# KiCad board ISA_CGA.kicad_pcb (continued)
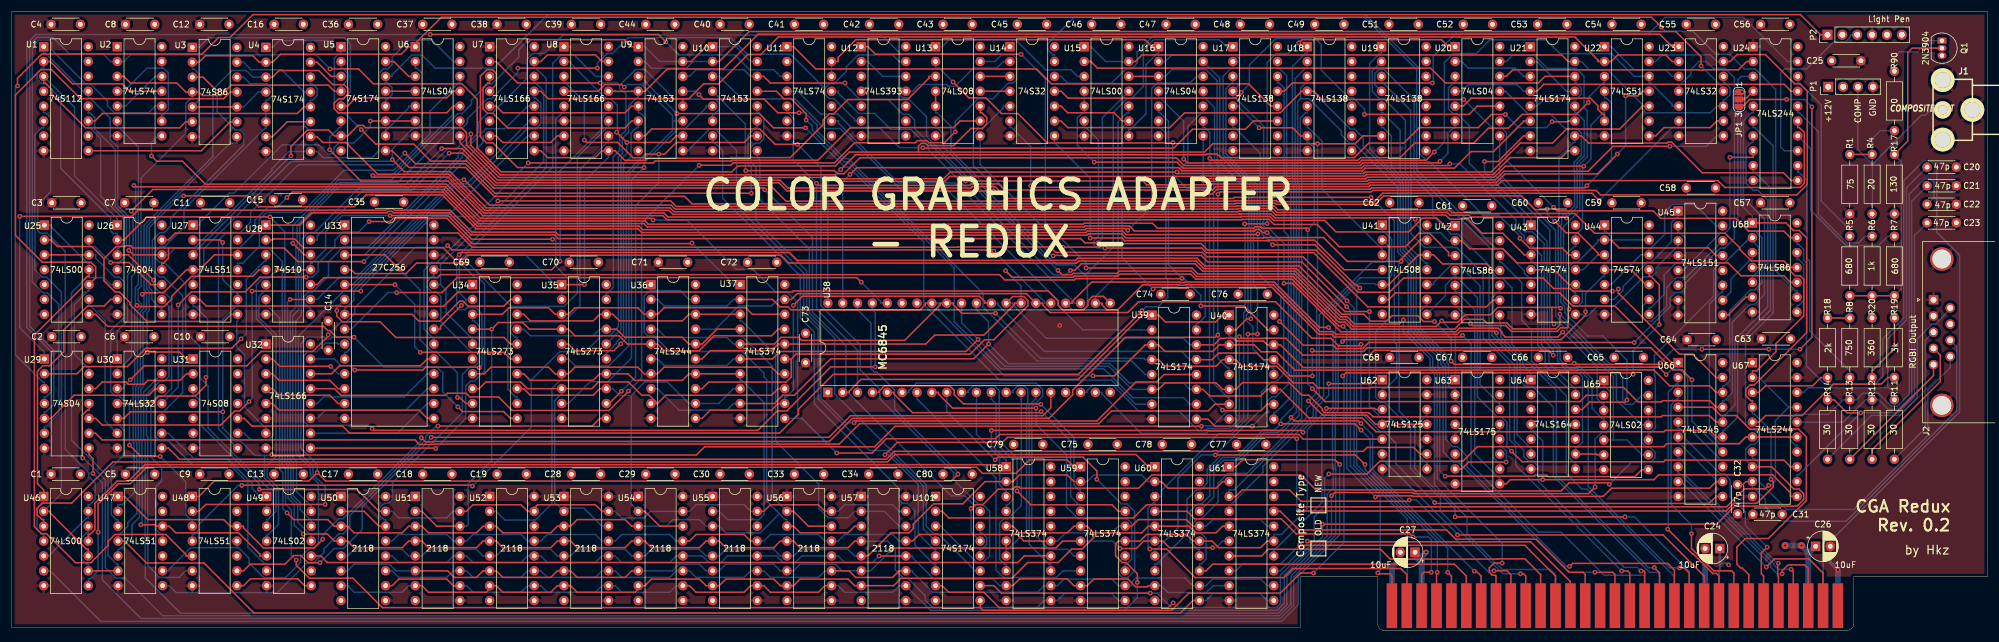
[diagram p0: board, top side]
## Routing (per net, layer and track width the routed paths; a pad name or vN(x,y) marks a point on that pad's centre or on a via; arc(x,y) is an arc through that point) (continued)
  Bottom w0.25: U38.28 171.05,55.88 171.05,55.6 176.76,49.89 200.19,49.89 201.31,48.77 U39.14 ; v2(282.7,43.69) 283.61,44.59 284.95,44.59 286.38,43.17 286.38,34.76 292.07,29.07 292.35,29.07 U66.13
D6: length 220.4
  Top w0.25: v2(233.02,22.77) 233.24,22.98 239.32,22.98 239.42,22.87 271.95,22.87 273.36,24.27 290.1,24.27 291.23,25.4 U66.12 ; v2(227.51,51.92) 226.82,51.92 218.75,59.98 202.3,59.98 201.44,60.84 189.36,60.84 189.03,60.52 181.6,60.52 181.39,60.3 170.93,60.3 v2(169.82,61.42) ; U38.27 171.34,55.88 171.34,55.65 166.12,50.43 157.71,50.43 156.18,48.89 U37.16 130.95,48.89 129.83,47.77 119.38,47.77 117.97,46.35 U36.15
  Bottom w0.25: v2(233.02,22.77) 228.14,27.65 228.14,51.29 v2(227.51,51.92) ; v2(169.82,61.42) 172.47,58.77 U38.27
D7: length 204.2
  Top w0.25: 132.08,56.52 133.21,56.52 134.2,57.51 173.38,57.51 U38.26 176.13,55.88 176.13,55.6 177.45,54.28 190.68,54.28 192.53,56.12 215.94,56.12 222.18,49.88 225.41,49.88 226.7,48.6 230.28,48.6 v2(230.54,48.86) ; v2(243.13,21.83) 243.29,21.67 290.04,21.67 291.23,22.86 U66.11
  Bottom w0.25: v2(243.13,21.83) 236.53,28.44 236.53,31.94 234.56,33.91 233.85,33.91 230.54,37.21 v2(230.54,48.86) ; U36.17 120.26,51.44 124.21,55.39 129.83,55.39 130.95,56.52 132.08,56.52
DATA_GATE: length 150.1
  Top w0.25: v2(179.61,65.45) 185.92,65.45 186.52,66.05 203.23,66.05 204.34,64.95 222.84,64.95 230.05,57.74 235.41,57.74 237.85,60.18 261.67,60.18 263.47,58.38 266.29,58.38 266.74,57.93 v2(273.5,57.93) ; v2(274.53,58.32) 274.53,57.59 284.94,47.18 287.23,47.18 291.23,43.18 U66.19
  Bottom w0.25: v2(273.5,57.93) 274.14,57.93 v2(274.53,58.32) ; v2(179.61,65.45) 165.48,79.58 U13.8
DISPEN: length 158.3
  Top w0.25: v2(263.39,46.99) 262.57,47.81 232.8,47.81 232,47.02 220.58,47.02 217.71,49.89 214.22,49.89 214.19,49.86 210.04,49.86 v2(209.77,50.14)
  Bottom w0.25: v2(263.39,46.99) 263.39,47.97 261.85,49.51 261.85,66.04 259.8,68.09 258.58,68.09 258.44,68.23 258.44,70.41 249.05,79.8 249.05,86.2 246.99,88.27 246.25,88.27 245.49,89.02 245.49,92.63 246.35,93.49 246.63,93.49 U20.3 ; U38.18 183.75,40.64 183.75,40.92 184.68,41.85 188.16,41.85 192.64,37.37 199.51,37.37 202.78,34.1 203.9,34.1 204.29,34.49 208.16,34.49 209.77,36.1 v2(209.77,50.14)
DOT_CLOCK: length 159.8
  Top w0.25: U8.7 93.24,84.45 92.11,83.33 83.91,83.33 82.79,84.45 U7.7 ; 15.77,63.47 13.69,65.55 7.84,65.55 6.71,66.67 5.59,66.67 ; 15.77,63.47 15.77,59.7 17.68,57.78 18.42,57.78 20.24,55.96 20.24,55.61 23.09,52.75 36.26,52.75 37.48,53.97 U27.8 ; 15.77,63.47 17.84,65.55 19.12,65.55 19.25,65.68 20.32,65.68 20.69,65.31 26.79,65.31 ; v2(60.19,62.98) 48.88,62.98 46.55,65.31 26.79,65.31 ; 26.79,65.31 26.79,63.57 25.94,62.72 25.65,62.72 25.65,61.59
  Bottom w0.25: 43.43,33.66 43.43,34.78 43.15,34.78 39.79,38.15 39.79,47.03 38.46,48.35 38.46,52.7 38.61,52.85 U27.8 ; U7.7 80.54,84.45 80.54,83.33 v2(60.19,62.98)
E: length 55.7
  Bottom w0.25: U38.23 181.5,55.88 181.5,56.07 161.15,76.42 151.5,76.42 141.21,86.71 141.21,86.99 U11.9
ENABLE_BLINK: length 201.8
  Top w0.25: v2(199.99,60.11) 199.94,60.07 181.79,60.07 181.57,59.85 169.68,59.85 168.78,60.75 73.27,60.75 72.75,60.23 53.35,60.23 52.18,59.05 U28.10 ; v2(203.19,55.39) 210.57,55.39 214.52,51.45 214.52,51.31 U40.15
  Bottom w0.25: v2(203.19,55.39) 203.19,57.22 200.3,60.11 v2(199.99,60.11) 197.66,62.44 197.66,86.97 196.15,88.48 195.96,88.48 U16.5
G: length 271.5
  Top w0.25: v2(300.62,25.78) 300.99,25.41 300.99,24.49 298.18,21.68 294.24,21.68 292.94,20.38 v2(219.93,20.38) ; U68.1 303.14,69.6 304.45,68.29 305.42,68.29 306.7,67.01 306.7,50.85 297.76,41.91 297.04,41.91 296.31,41.18 296.31,40.07 297.15,39.23 297.43,39.23 U67.4 ; 295.15,91.95 JP1.1 ; v2(219.57,32.73) 219.35,32.95 170.13,32.95 169.27,32.09 151.32,32.09 v2(149.21,29.97)
  Bottom w0.25: v2(295.68,91.98) 295.45,91.75 295.45,72.71 297.43,70.72 U68.1 ; v2(149.21,29.97) 149.83,29.97 154.88,24.92 154.88,16.52 157.58,13.83 157.86,13.83 U101.5 ; U67.4 297.43,36.97 297.72,36.97 300.62,34.07 v2(300.62,25.78) ; v2(219.57,32.73) 219.57,20.74 v2(219.93,20.38)
G_OUT: length 59.8
  Bottom w0.25: U67.16 312.95,35.56 316.76,39.37 R12.2 319.01,39.37 320.61,37.76 322.37,37.76 324.67,40.06 324.67,73.33 C21.1
GRPH: length 408.1
  Top w0.25: v2(53.15,15.53) 51.68,14.07 43.03,14.07 39.61,17.5 39.61,17.78 U48.12 37.36,17.78 36.23,18.91 23.24,18.91 19.29,22.86 U47.1 ; v2(69.99,32.89) 70.69,32.19 71.92,32.19 71.98,32.26 139.72,32.26 143.67,36.21 177.25,36.21 181.29,40.24 181.29,41.02 190.31,50.04 205.68,50.04 v2(206.09,50.44) ; 292.48,97.16 293.61,97.16 294.8,98.35 299.65,98.35 304.65,93.34 305.54,93.34 306.8,92.09 306.8,76.16 305.01,74.37 271.48,74.37 270.72,75.14 232.56,75.14 232.31,74.89 206.52,74.89 v2(206.11,74.48)
  Bottom w0.25: v2(53.15,15.53) 53.15,16.31 55.89,19.05 56.58,19.05 69.99,32.45 v2(69.99,32.89) ; U40.5 208.03,44.81 207.74,44.81 206.09,46.47 v2(206.09,50.44) 206.09,74.46 v2(206.11,74.48) 206.11,79.54 205.51,80.14 205.51,89.3 203.86,90.95 203.58,90.95 U16.11 ; 279.78,97.16 280.91,97.16 282.03,98.28 290.23,98.28 291.36,97.16 292.48,97.16
HCLK: length 255.6
  Top w0.25: v2(47.71,81.05) 47.71,82.62 50.54,85.46 54.14,85.46 55.14,84.45 U5.7 57.39,84.45 59.18,86.25 60.03,86.25 60.41,85.87 76.58,85.87 ; U6.9 76.58,85.87 ; 76.58,85.87 76.86,85.87 77.71,85.03 77.71,82.93 83.29,77.35 140.47,77.35 141.13,76.69 159.41,76.69 160.26,77.53 203.2,77.53 203.25,77.59 231.19,77.59 231.44,77.84 253.14,77.84 256.04,80.74 264.78,80.74 265.96,81.91 U21.9
  Bottom w0.25: v2(47.71,81.05) 30.99,64.33 U27.3
HRES: length 336.4
  Top w0.25: v2(36.05,66.26) 35.64,66.67 30.99,66.67 ; v2(211.71,53.21) 211.06,53.21 209.15,51.31 U40.2 ; v2(203.28,34.86) 150.94,34.86 147.44,31.36 118.41,31.36 116.99,29.94 44.5,29.94 v2(44.44,30) ; v2(36.08,37.32) 20.28,37.32 19.16,36.19 U30.5
  Bottom w0.25: v2(203.28,34.86) 203.37,34.94 205.24,34.94 207.78,37.48 208.54,37.48 209.22,38.16 209.22,49.23 208.27,50.18 208.03,50.18 U40.2 ; 203.58,97.16 206.41,94.32 206.41,81.15 211.85,75.71 211.85,68.69 211.71,68.56 v2(211.71,53.21) ; v2(36.05,66.26) 36.05,59.91 38.33,57.64 38.61,57.64 38.61,55.39 38.33,55.39 36.08,53.14 v2(36.08,37.32) 36.08,34.55 38.24,32.38 39.05,32.38 41.58,29.86 43.18,29.86 ; U49.3 43.56,18.91 43.74,18.91 45.14,20.31 45.14,24.06 43.18,26.02 43.18,29.86 ; 43.18,29.86 44.29,29.86 v2(44.44,30) ; U30.5 18.03,35.07 18.32,35.07 19.21,34.18 19.21,30 17.04,27.83 17.04,19.75 17.88,18.91 18.16,18.91 U47.3
HSYNC: length 143
  Top w0.25: v2(143.23,77.86) 144.4,79.02 199.41,79.02 199.95,78.49 230.81,78.49 231.26,78.94 246.51,78.94 249.34,81.76 253.17,81.76 258.34,86.93 258.34,86.99 U21.6
  Bottom w0.25: v2(143.23,77.86) 141.99,76.61 U38.39
HSYNC_DLY: length 73
  Top w0.25: U65.6 270.91,29.97 270.78,30.1 U64.9 ; v2(251.66,80.08) 253.96,80.08 258.34,84.45 U21.7
  Bottom w0.25: v2(251.66,80.08) 251.66,78.27 259.59,70.34 U43.1 262.35,66.45 262.35,49.97 264.12,48.2 264.12,45.97 265.79,44.3 267.42,44.3 268.4,43.33 268.4,32.13 267.49,31.22 267.21,31.22 U64.9
HSYNC_OUT: length 62.2
  Top w0.25: U67.9 296.31,25.4 295.8,24.89 C32.1
  Bottom w0.25: J2.8 332.35,48.41 332.35,37.55 313.46,18.66 302.08,18.66 299.65,21.08 299.65,22.38 297.76,24.27 297.43,24.27 U67.9
I: length 231.8
  Top w0.25: U67.8 300.71,27.94 304.52,24.13 305.39,24.13 306.2,23.32 306.2,22.35 305.05,21.21 294.4,21.21 291.33,18.13 v2(223.96,18.13) ; U101.10 167.84,7.62 169.11,6.35 v2(194.54,6.35)
  Bottom w0.25: U67.8 296.28,29.1 296.28,30.92 297.11,31.75 297.82,31.75 298.58,32.52 298.58,33.47 297.76,34.29 297.11,34.29 296.26,35.14 296.26,49.5 300.96,54.19 300.96,82.75 297.84,85.87 297.56,85.87 U24.6 ; v2(194.54,6.35) 195.72,6.35 198.67,3.39 216.24,3.39 217.45,4.61 217.45,9.41 223.96,15.92 v2(223.96,18.13)
I_OUT: length 63.9
  Top w0.25: v2(315.93,37.14) 313.62,37.14 311.39,39.37 R14.2
  Bottom w0.25: C23.1 325.12,67.43 325.12,39.87 322.41,37.16 315.96,37.16 v2(315.93,37.14) 305.32,26.53 305.05,26.53 U67.12
IO_CLOCK: length 180.8
  Top w0.25: v2(237.77,53.02) 237.1,52.35 229.39,52.35 228.18,53.55 227.1,53.55 219.31,61.33 203.49,61.33 202.21,62.62 182.77,62.62 181.63,61.48 v2(180.9,61.48)
  Bottom w0.25: v2(180.9,61.48) 180.15,60.72 178.02,60.72 156.56,82.19 156.56,82.65 153.63,85.58 150.16,85.58 147.45,88.29 144.71,88.29 141.21,91.79 141.21,92.07 U11.11 ; P5.20 263.78,9.53 262.91,10.39 254.69,10.39 248.67,16.41 248.67,19.28 243.11,24.85 243.11,43.98 242.36,44.73 242.36,46.37 237.77,50.96 v2(237.77,53.02)
IO_READY: length 69.4
  Top w0.25: P5.41 289.18,9.27 282.16,16.29 v2(247.04,16.29)
  Bottom w0.25: v2(247.04,16.29) 247.04,16.41 234.48,28.97 234.19,28.97 U62.6
LCLK: length 306.9
  Top w0.25: U43.3 258.46,64.13 254.78,67.82 251.23,67.82 248.84,70.22 245.71,70.22 245,70.93 215.99,70.93 215.33,71.59 209.72,71.59 209.62,71.49 113.17,71.49 112.49,72.17 81.06,72.17 74.89,78.35 67.08,78.35 v2(65.04,80.39)
  Bottom w0.25: U43.3 259.59,63.01 259.87,63.01 260.76,62.12 260.76,48.71 262.03,47.44 262.03,45.19 266.08,41.14 266.08,29.53 266.93,28.68 267.21,28.68 U64.8 ; 68.96,97.16 68.96,96.03 69.24,96.03 70.09,95.19 70.09,86.51 69.33,85.76 68.57,85.76 65.04,82.23 v2(65.04,80.39) 64.76,80.12 47.78,80.12 32.82,65.16 32.82,61.73 31.27,60.18 30.99,60.18 U27.5
LPEN_STR: length 236.3
  Top w0.25: v2(137.51,76.36) 137.88,76 163.7,76 163.94,76.24 168.65,76.24 169.68,75.21 205.18,75.21 205.75,75.79 231.93,75.79 232.19,76.04 253.88,76.04 254.66,76.81 291.54,76.81 292.72,75.64 305.58,75.64 306.31,76.36 306.31,85.03 305.46,85.87 305.18,85.87 U24.15
  Bottom w0.25: U11.5 132.46,88.41 132.64,88.41 133.68,87.37 133.68,83.46 133.53,83.31 133.53,80.34 v2(137.51,76.36) 137.51,54.84 144.53,47.83 U38.3
MD0: length 95.9
  Top w0.25: U37.3 U36.18 115.71,53.97 114.59,52.85 103.85,52.85 102.73,53.97 U35.18 100.47,53.97 99.35,52.85 88.61,52.85 87.49,53.97 U34.18
  Bottom w0.25: U37.3 124.46,52.85 124.74,52.85 130.54,47.05 130.54,32.31 137.88,24.97 137.88,20.87 139.55,19.19 142.91,19.19 144.04,20.32 U57.2 149.12,20.32 151.66,17.78 U57.14
MD1: length 84.4
  Top w0.25: U37.4 120.51,51.44 117.97,48.89 U36.16 115.71,48.89 114.54,50.07 104.73,50.07 103.36,51.44 U35.17 ; U56.2 133.59,20.32 136.13,17.78 U56.14
  Bottom w0.25: U37.4 124.46,50.31 124.74,50.31 129.93,45.12 129.93,22.85 U56.2 ; U35.17 100.47,51.44 99.35,50.31 88.61,50.31 87.49,51.44 U34.17
MD2: length 76.7
  Top w0.25: U34.14 87.49,43.81 88.61,42.69 99.35,42.69 100.47,43.81 U35.14 105.31,43.81 106.44,42.69 114.59,42.69 115.71,43.81 U36.14 U37.7
  Bottom w0.25: U37.7 124.46,42.69 124.74,42.69 128.56,38.87 128.56,19.8 127.66,18.91 127.38,18.91 ; 127.38,18.91 122.3,18.91 120.89,20.32 U55.2 ; 127.38,18.91 U55.14
MD3: length 72
  Top w0.25: 101.6,41.28 100.47,41.28 99.35,40.15 88.61,40.15 87.49,41.28 86.36,41.28 ; U54.2 108.19,20.32 110.73,17.78 U54.14
  Bottom w0.25: 105.85,40.1 103.87,40.1 102.73,41.25 102.73,41.28 101.6,41.28 ; 105.85,40.1 108.15,42.4 112.05,42.4 115.71,38.73 U36.12 120.79,38.73 123.33,41.28 124.46,41.28 ; 105.85,40.1 105.85,21.53 U54.2
MD4: length 90.4
  Top w0.25: 78.74,41.28 79.87,41.28 81,42.41 86.99,42.41 88.12,41.28 99.13,41.28 100.27,42.41 105.39,42.41 107.65,40.15 108.93,40.15 110.35,38.73 ; 110.35,38.73 111.76,40.15 129.83,40.15 130.95,41.28 132.08,41.28 ; 110.35,38.73 U36.9
  Bottom w0.25: 94.25,20.88 94.36,20.88 ; 94.36,20.88 U53.2 93.2,21.48 92.96,21.48 92.78,21.66 92.78,39.23 93.7,40.15 93.98,40.15 93.98,41.28 ; 94.36,20.88 97.75,20.88 100.86,17.78 U53.14
MD5: length 92.6
  Top w0.25: U37.14 130.95,43.81 129.83,44.94 111.47,44.94 110.35,43.81 U36.7 108.09,43.81 106.97,44.94 96.23,44.94 95.11,43.81 U35.7 92.85,43.81 91.73,44.94 81.87,44.94 80.74,43.81 U34.7
  Bottom w0.25: U52.14 89.28,18.83 ; 89.28,18.83 84.27,18.83 82.79,20.32 U52.2 ; 89.28,18.83 89.49,18.83 92.31,21.66 92.31,41.3 93.7,42.69 93.98,42.69 U35.7
MD6: length 102.6
  Top w0.25: U37.17 130.95,51.44 129.83,50.31 120.02,50.31 117.46,47.76 111.48,47.76 110.35,48.89 U36.5 105.2,48.89 103.78,50.31 96.23,50.31 95.11,51.44 U35.4 88.45,51.44 87.31,52.57 83.15,52.57 v2(82.01,51.44) U34.4 ; U51.14 72.63,17.78 70.09,20.32 U51.2
  Bottom w0.25: v2(82.01,51.44) 82.01,29.01 78,24.99 78,18.07 77.71,17.78 U51.14
MD7: length 110.2
  Top w0.25: U50.14 62.76,17.78 60.22,20.32 U50.2 ; U37.18 126.55,53.97 125.41,55.11 111.48,55.11 110.35,53.97 U36.3 108.09,53.97 106.97,55.1 96.23,55.1 95.11,53.97 U35.3 92.85,53.97 91.73,55.1 84.95,55.1 83.82,53.97 U34.3
  Bottom w0.25: U50.14 63.88,18.91 63.6,18.91 62.75,19.75 62.75,20.8 63.64,21.68 64.37,21.68 65.06,22.37 65.06,25.22 76.99,37.16 76.99,43.67 78.41,45.09 79.1,45.09 79.89,45.87 79.89,51.98 79.02,52.85 78.74,52.85 U34.3
MUX_A: length 191
  Top w0.25: v2(163.02,76.75) 193.27,76.75 193.91,76.11 204.29,76.11 204.87,76.69 231.56,76.69 231.81,76.94 253.51,76.94 254.98,78.41 269.36,78.41 273.62,82.67 v2(283.33,82.67) ; v2(142.38,93.49) 129.63,93.49 128.51,94.61 U10.14
  Bottom w0.25: v2(283.33,82.67) 289.57,82.67 291.36,84.45 U23.8 ; U10.14 126.26,94.61 125.13,95.74 116.93,95.74 115.81,94.61 U9.14 ; v2(142.38,93.49) 142.38,93.19 144.92,90.66 149.73,90.66 152.27,88.12 153.3,88.12 154.28,87.14 154.28,85.72 163.02,76.98 v2(163.02,76.75)
MUX_B: length 193.9
  Top w0.25: 119.76,97.16 120.89,97.16 126.01,102.27 284.35,102.27 288.65,97.97 v2(288.65,96.41)
  Bottom w0.25: 107.06,97.16 108.19,97.16 109.32,96.02 115.31,96.02 116.44,97.16 119.76,97.16 ; v2(288.65,96.41) 292.48,92.58 U23.11
OVERSCAN_B: length 93.4
  Bottom w0.25: U10.3 120.89,94.61 124.72,90.78 133.85,90.78 138.9,85.72 141.53,85.72 152.01,75.25 159.83,75.25 178.82,56.27 178.82,55.49 183,51.31 U39.2
OVERSCAN_G: length 102.1
  Top w0.25: v2(117.42,91.5) 118.2,90.72 128.59,90.72 130.9,88.41 v2(134.54,88.41)
  Bottom w0.25: v2(134.54,88.41) 135.52,88.41 137.61,86.32 137.61,85.3 142.34,80.58 142.95,80.58 165.98,57.55 165.98,55.23 175.21,46 191.38,46 193.69,43.69 U39.5 ; U9.13 116.85,92.07 v2(117.42,91.5)
OVERSCAN_I: length 103.6
  Top w0.25: v2(135.75,87.16) 135.75,88.24 133.19,90.8 131.93,90.8 130.66,92.07 U10.13
  Bottom w0.25: U39.10 201.31,38.61 200.19,39.73 191.55,39.73 186.63,44.65 169.11,44.65 161.04,52.73 161.04,61.86 142.9,80 142.26,80 136.8,85.45 136.8,86.1 v2(135.75,87.16)
OVERSCAN_R: length 117.7
  Top w0.25: v2(113.65,88.27) 127.75,88.27 130.18,85.83 v2(135.63,85.83)
  Bottom w0.25: U9.3 108.19,94.61 108.19,93.73 v2(113.65,88.27) ; v2(135.63,85.83) 142.36,79.1 143.08,79.1 155.85,66.33 155.85,55.65 168.76,42.74 187.9,42.74 192.04,38.61 U39.7
Q1: length 334.5
  Top w0.25: U60.11 201.82,5.08 199.7,2.96 41.39,2.96 32.85,11.5 23.02,11.5 19.29,15.24 U47.4 ; U5.4 55.14,92.07 54.08,93.13 37.51,93.13 35.73,91.35 32.58,91.35 31.99,91.95 U3.4 29.74,91.95 28.19,93.49 20.28,93.49 19.16,94.61 U2.3
  Bottom w0.25: U3.4 30.86,90.82 30.58,90.82 29.74,89.98 29.74,84.86 22.1,77.23 22.1,58.77 21.59,58.26 21.59,56.34 22.14,55.79 22.14,55.19 21.47,54.53 21.47,41.86 21.18,41.57 21.18,32.24 21.37,32.06 21.37,19.92 19.84,18.4 19.84,17.77 18.44,16.37 18.16,16.37 U47.4 ; U60.11 204.07,5.08 205.3,6.3 213.3,6.3 214.52,5.08 U61.11 ; 56.26,97.16 56.26,96.03 56.54,96.03 57.39,95.19 57.39,94.04 56.54,93.2 56.26,93.2 U5.4
Q4: length 287.7
  Top w0.25: U4.10 52.18,84.33 53.18,83.33 57.09,83.33 62.52,77.9 74.7,77.9 80.88,71.72 112.3,71.72 112.98,71.04 209.81,71.04 209.91,71.14 215.15,71.14 215.83,70.45 239.57,70.45 v2(239.81,70.21) ; U42.2 247.76,66.55 249.14,65.17 254.83,65.17 257.22,62.77 293.26,62.77 295.47,60.56 302.8,60.56 303.93,59.44 U68.10
  Bottom w0.25: U4.13 49.93,91.95 ; 49.93,91.95 49.93,86.3 50.77,85.45 51.05,85.45 U4.10 ; 49.93,91.95 46.12,95.76 40.88,95.76 39.61,97.03 U3.13 ; v2(239.81,70.21) 239.81,69.5 241.41,67.9 244.16,67.9 245.51,66.55 U42.2
Q5: length 145
  Top w0.25: U26.3 19.93,64.13 v2(24.25,59.81) ; U1.11 14.21,86.99 15.49,88.28 48.8,88.28 49.93,89.41 U4.12
  Bottom w0.25: U26.3 18.03,65.26 18.26,65.26 19.16,66.16 19.16,70.23 15.2,74.2 15.2,84 13.33,85.87 13.08,85.87 U1.11 ; v2(24.25,59.81) 24.25,58.8 25.26,57.78 26.02,57.78 27.32,56.49 27.32,41.34 25.96,39.99 25.28,39.99 24.53,39.24 24.53,33.17 25.31,32.38 26.78,32.38 30.83,28.34 37.2,28.34 40.35,25.18 40.35,14.21 43.28,11.29 43.56,11.29 U49.6 ; U4.14 51.05,93.36 51.34,93.36 52.18,92.52 52.18,91.38 51.34,90.53 51.05,90.53 U4.12
R: length 200.6
  Top w0.25: v2(300.21,24.78) 299.6,24.17 296.09,24.17 293.02,21.09 220.24,21.09 219.89,21.45 193.91,21.45 191.66,19.19 160.11,19.19 158.99,20.32 U101.2 ; U67.2 297.43,44.31 298.17,44.31 301.46,47.59 301.46,48.97 306.2,53.71 306.2,59.95 305.59,60.56 304.71,60.56 303.29,61.98 U68.4
  Bottom w0.25: 303.64,38.1 301.35,35.81 301.35,25.48 300.65,24.78 v2(300.21,24.78) ; 303.64,38.1 U67.17 ; 303.64,38.1 298.56,43.18 U67.2
R_OUT: length 58.9
  Bottom w0.25: 320.57,41.62 320.38,41.43 306.97,41.43 306.18,40.64 U67.18 ; 320.57,41.62 320.57,49.81 323.77,53.01 323.77,75.61 C20.1 ; 320.57,41.62 321.69,40.5 R11.2
RA0: length 206.6
  Top w0.25: v2(161.69,26.66) 160.52,25.49 53.64,25.49 v2(52.2,26.93) 50.77,25.49 34.62,25.49 31.99,22.86 U48.1
  Bottom w0.25: U38.38 144.53,54.75 146.83,52.45 146.83,44.69 147.41,44.11 147.8,44.11 150.88,41.04 150.88,37.79 161.69,26.98 v2(161.69,26.66) ; v2(52.2,26.93) 52.2,28.32 49.43,31.1 49.43,48.98 50.55,50.1 53.41,50.1 53.77,49.74 54.37,49.74 54.73,50.1 57.29,50.1 58.02,49.36 58.02,48.32 57.18,47.48 56.9,47.48 U33.10
RA1: length 133
  Top w0.25: v2(61.58,34.42) 61.85,34.14 127.49,34.14 130.81,37.47 132.44,37.47 139.97,44.99 v2(147.55,44.99)
  Bottom w0.25: v2(61.58,34.42) 60.98,35.02 50.6,35.02 49.88,35.75 49.88,46.85 50.62,47.59 52.14,47.59 53.6,49.05 55.61,49.05 55.77,48.89 U33.9 ; v2(147.55,44.99) 147.55,54.27 147.07,54.75 U38.37
RA2: length 98.3
  Top w0.25: v2(145.16,59.48) 144.39,60.25 76.08,60.25 73.53,57.69 v2(65.78,57.69)
  Bottom w0.25: v2(145.16,59.48) 148.48,56.16 148.48,55.88 U38.36 ; U33.8 58.02,51.44 64.28,57.69 v2(65.78,57.69)
RAS: length 61.2
  Top w0.25: U3.6 29.74,86.87 28.7,85.83 12.63,85.83 6.83,91.63 6.83,92.41 5.74,93.49 5.46,93.49 U1.3
  Bottom w0.25: U26.1 18.03,70.34 10.73,77.64 10.73,89.34 U1.3
RESET: length 229.2
  Top w0.25: v2(263.47,72.25) 264.07,71.65 280.47,71.65 281.76,70.36 294.6,70.36 296.78,68.18 302.8,68.18 303.93,67.06 U68.13
  Bottom w0.25: U68.13 305.05,65.93 305.34,65.93 306.18,65.09 306.18,63.23 306.68,62.73 306.68,45.16 309.82,42.01 318.33,42.01 319.72,43.4 319.72,49.78 323.32,53.37 323.32,76.8 326.78,80.26 327.77,80.26 328.95,79.07 328.95,67.95 332.84,64.06 332.84,37.32 311.05,15.53 310.18,15.53 309.5,14.85 P5.2 ; U20.9 254.25,85.87 254.54,85.87 255.38,85.03 255.38,80.34 v2(263.47,72.25)
SEL_BLUE: length 144.8
  Top w0.25: v2(244.06,80.12) 243.78,79.84 230.89,79.84 230.44,79.39 200.32,79.39 199,80.71 144.92,80.71 142.2,78 141.1,78 140.56,78.53 v2(125.42,78.53)
  Bottom w0.25: U10.4 125.36,86.48 125.36,78.59 v2(125.42,78.53) ; v2(244.06,80.12) 245.4,81.46 245.4,84.92 246.35,85.87 246.63,85.87 U20.6
SL: length 294.7
  Top w0.25: v2(79.9,44.84) 79.81,44.94 70.73,44.94 70.24,44.46 v2(58.6,44.46) ; 101.98,97.16 100.86,97.16 99.73,98.28 91.53,98.28 90.41,97.16 89.28,97.16 ; v2(76.46,64.16) 76.82,64.53 132.89,64.53 134.24,63.18 181.74,63.18 182.09,63.54 202.57,63.54 203.87,62.23 219.99,62.23 227.77,54.45 v2(231.99,54.45) ; U62.11 v2(236.6,35.18)
  Bottom w0.25: v2(58.6,44.46) 57.83,45.23 56.22,45.23 55.1,46.35 U32.15 ; v2(79.9,44.84) 80.34,45.28 80.34,54.03 79.26,55.11 77.81,55.11 77.46,54.76 76.51,54.76 76.03,55.25 76.03,63.74 v2(76.46,64.16) 91.33,79.04 91.33,94.26 89.56,96.03 89.28,96.03 89.28,97.16 ; v2(236.6,35.18) 235.33,36.45 233.83,36.45 231.99,38.29 v2(231.99,54.45)
SL': length 218.3
  Top w0.25: U30.8 26.78,31.11 28.68,29.21 149.47,29.21 150.83,30.57 205.27,30.57 205.37,30.67 205.97,30.67 206.07,30.57 230.93,30.57 231.6,31.24 239.54,31.24 240.68,30.1 U62.9
STR: length 104.3
  Top w0.25: U28.12 49.93,64.13 49.93,64.21 v2(48.03,66.11) ; U10.1 118.64,99.69 116.1,97.16 114.68,97.16 ; U9.1 105.94,99.69 104.75,100.89 88.34,100.89 v2(88.19,100.74)
  Bottom w0.25: 127.38,97.16 126.26,97.16 123.72,99.69 U10.1 ; U9.1 108.19,99.69 110.73,97.16 114.68,97.16 ; v2(88.19,100.74) 86.67,99.22 86.67,97.95 82.07,93.34 81.33,93.34 78.56,90.58 78.56,89.86 76.97,88.27 76.23,88.27 64.92,76.95 55.8,76.95 48.03,69.18 v2(48.03,66.11)
VIDEO_ENABLE: length 107.3
  Top w0.25: v2(206.88,37.63) 207.03,37.48 213.4,37.48 214.52,38.61 U40.10 ; v2(198.41,83.3) 198.36,83.25 176.94,83.25 171.93,88.27 169.14,88.27 166.46,90.95 163.55,90.95 v2(160.84,93.66)
  Bottom w0.25: v2(160.84,93.66) 158.47,96.03 157.86,96.03 157.86,97.16 ; v2(198.41,83.3) 198.38,83.27 198.38,77.93 200.83,75.48 203.96,75.48 204.66,74.78 204.66,39.85 v2(206.88,37.63)
VSYNC: length 155
  Top w0.25: v2(255.22,88.12) 252.84,88.12 250.59,85.87 240.52,85.87 237.87,83.22 231.88,83.22 229.4,80.74 206.59,80.74 205.97,81.36 204.12,81.36 203.99,81.23 144.17,81.23 v2(141.66,78.72) ; v2(263.21,86.87) 265.84,86.87 265.96,86.99 U21.11
  Bottom w0.25: v2(263.21,86.87) 262.2,85.87 257.47,85.87 v2(255.22,88.12) ; U38.40 139.45,76.51 v2(141.66,78.72)
VSYNC_DLY: length 275.6
  Top w0.25: v2(172.47,98.39) 147.59,98.39 146.29,99.69 U12.1 ; v2(264.65,55.02) 264.52,55.15 263.18,55.15 ; 263.18,55.15 253.91,55.15 252.65,53.89 248.36,53.89 247.08,52.62 244.56,52.62 v2(244.34,52.84) 243.39,51.9 229.2,51.9 228,53.1 226.91,53.1 219.13,60.88 202.67,60.88 201.66,61.89 v2(183.57,61.89) ; 263.18,55.15 263.18,52.67 v2(263.53,52.32) ; U24.11 304.06,76.83 302.73,78.16 288.86,78.16 283.63,83.39 283.03,83.39 282.85,83.22 269.44,83.22 268.21,84.45 U21.10
  In1.Cu w0.25: 264.81,54.86 v2(264.65,55.02)
  Bottom w0.25: U65.9 278.53,29.97 275.99,32.51 273.66,32.51 ; U63.1 246.63,43.92 246.68,43.97 246.68,50.5 v2(244.34,52.84) ; v2(172.47,98.39) 176.61,94.25 176.61,69.66 183.57,62.7 v2(183.57,61.89) ; 273.66,32.51 273.66,43.34 264.67,52.32 v2(263.53,52.32) ; 273.66,32.51 U65.5 ; v2(264.65,55.02) 264.25,55.42 264.25,69.43 264.38,69.56 264.38,80.84 266.87,83.33 267.08,83.33 U21.10
VSYNC_OUT: length 58
  Bottom w0.25: 303.33,20.63 298.56,25.4 298.56,28.51 297.72,29.35 297.43,29.35 U67.7 ; 303.33,20.63 C31.1 ; 303.33,20.63 314.75,20.63 327.42,33.3 327.42,41.06 331.22,44.86 J2.9
XACK: length 251.3
  Top w0.25: v2(140.97,30.28) 147.01,30.28 149.45,32.73 168.09,32.73 168.82,33.45 219.87,33.45 220.68,32.64 U62.5 ; v2(23.88,81.03) 24.77,80.14 29.16,80.14 33.09,76.21 74.28,76.21 80.11,70.37 109.3,70.37 v2(109.58,70.09)
  Bottom w0.25: 134.29,36.19 134.29,55.96 132.5,57.75 130.57,57.75 126.63,61.69 123.75,61.69 115.35,70.09 v2(109.58,70.09) ; 134.29,36.19 135.06,36.19 v2(140.97,30.28) ; 134.29,36.19 U37.11 ; v2(23.88,81.03) 23.88,83.31 25.02,84.45 U2.8
~{7_MHZ}: length 47.9
  Top w0.25: v2(61.3,86.99) U5.11 U6.6
  Bottom w0.25: U27.1 32.11,69.21 32.11,69.64 37.16,74.68 37.99,74.68 46.23,82.92 52.44,82.92 54.01,81.35 54.71,81.35 55.08,81.72 55.08,82.47 55.83,83.22 58.46,83.22 61.3,86.06 v2(61.3,86.99)
~{14_MHZ}: length 403.1
  Top w0.25: v2(48.63,11.99) 48.63,11.1 50.84,8.89 58.32,8.89 63.33,3.88 165.48,3.88 ; v2(227.41,43.43) 227.96,43.98 276.81,43.98 v2(277.06,43.73) ; v2(281.53,52.23) 281.53,59 280.06,60.47 279.78,60.47 279.78,61.59 ; v2(222.43,9.79) 220.21,9.79 216.77,6.35 201.13,6.35 198.21,3.42 165.94,3.42 165.48,3.88 ; 165.48,3.88 U101.9
  Bottom w0.25: v2(281.53,52.23) 277.06,47.76 v2(277.06,43.73) ; 42.31,65.55 42.31,70.15 43.56,71.4 49.61,71.4 56.8,78.58 65.28,78.58 71.48,84.79 71.48,88.67 76.3,93.49 76.58,93.49 U6.12 ; 42.31,65.55 39.48,62.72 38.61,62.72 38.61,61.59 ; 42.31,65.55 42.45,65.41 43.84,65.41 46.22,63.02 46.22,28.21 46.77,27.66 46.77,21.57 47.77,20.57 47.77,12.84 v2(48.63,11.99) ; v2(227.41,43.43) 227.63,43.21 227.63,14.99 v2(222.43,9.79)
~{6845_CS}: length 174.8
  Top w0.25: v2(167.82,64.76) 167.6,64.98 75.21,64.98 v2(74.47,65.72) ; v2(54.07,50.47) 54.07,50.24 51.47,47.64 42.63,47.64 40.17,45.18 22.65,45.18 v2(20.26,42.79)
  Bottom w0.25: v2(167.82,64.76) 176.42,56.16 176.42,55.88 U38.25 ; 18.03,41.28 19.16,41.28 19.16,41.69 v2(20.26,42.79) ; v2(54.07,50.47) 56.31,52.7 57.22,52.7 58.61,54.09 58.61,55.09 68.93,65.41 74.16,65.41 v2(74.47,65.72)
~{BLANK}: length 345
  Top w0.25: JP1.3 295.68,89.38 296.98,90.68 v2(303.28,90.68) ; v2(288.8,48.01) v2(300.23,48.01) ; v2(281.63,45.67) 281.4,45.43 267.14,45.43 v2(266.96,45.61) 266.79,45.43 246.5,45.43 v2(245.95,45.98) ; 43.43,66.67 44.56,66.67 44.73,66.85 48.33,66.85 49.83,65.35 73.69,65.35 75.65,63.39 77.16,63.39 77.85,64.08 131.45,64.08 132.8,62.73 181.92,62.73 182.28,63.08 202.38,63.08 203.68,61.78 219.5,61.78 227.29,54 231.02,54 232.22,52.8 234.91,52.8 235.86,53.74 240.24,53.74 241.24,52.74 v2(243.09,52.74) ; v2(305.56,48.01) 307.59,50.04 v2(307.59,89.41)
  Bottom w0.25: U65.4 272.03,36.18 271.75,36.18 270.04,37.89 270.04,42.96 267.39,45.61 v2(266.96,45.61) ; v2(303.28,90.68) 303.29,90.66 306.34,90.66 v2(307.59,89.41) ; v2(288.8,48.01) 283.97,48.01 v2(281.63,45.67) ; v2(245.95,45.98) 245.95,49.88 v2(243.09,52.74) ; v2(300.23,48.01) v2(305.56,48.01)
